# Allegro board 1155001-Timing_board_V3_20241024_1805_pcb.brd (continued)
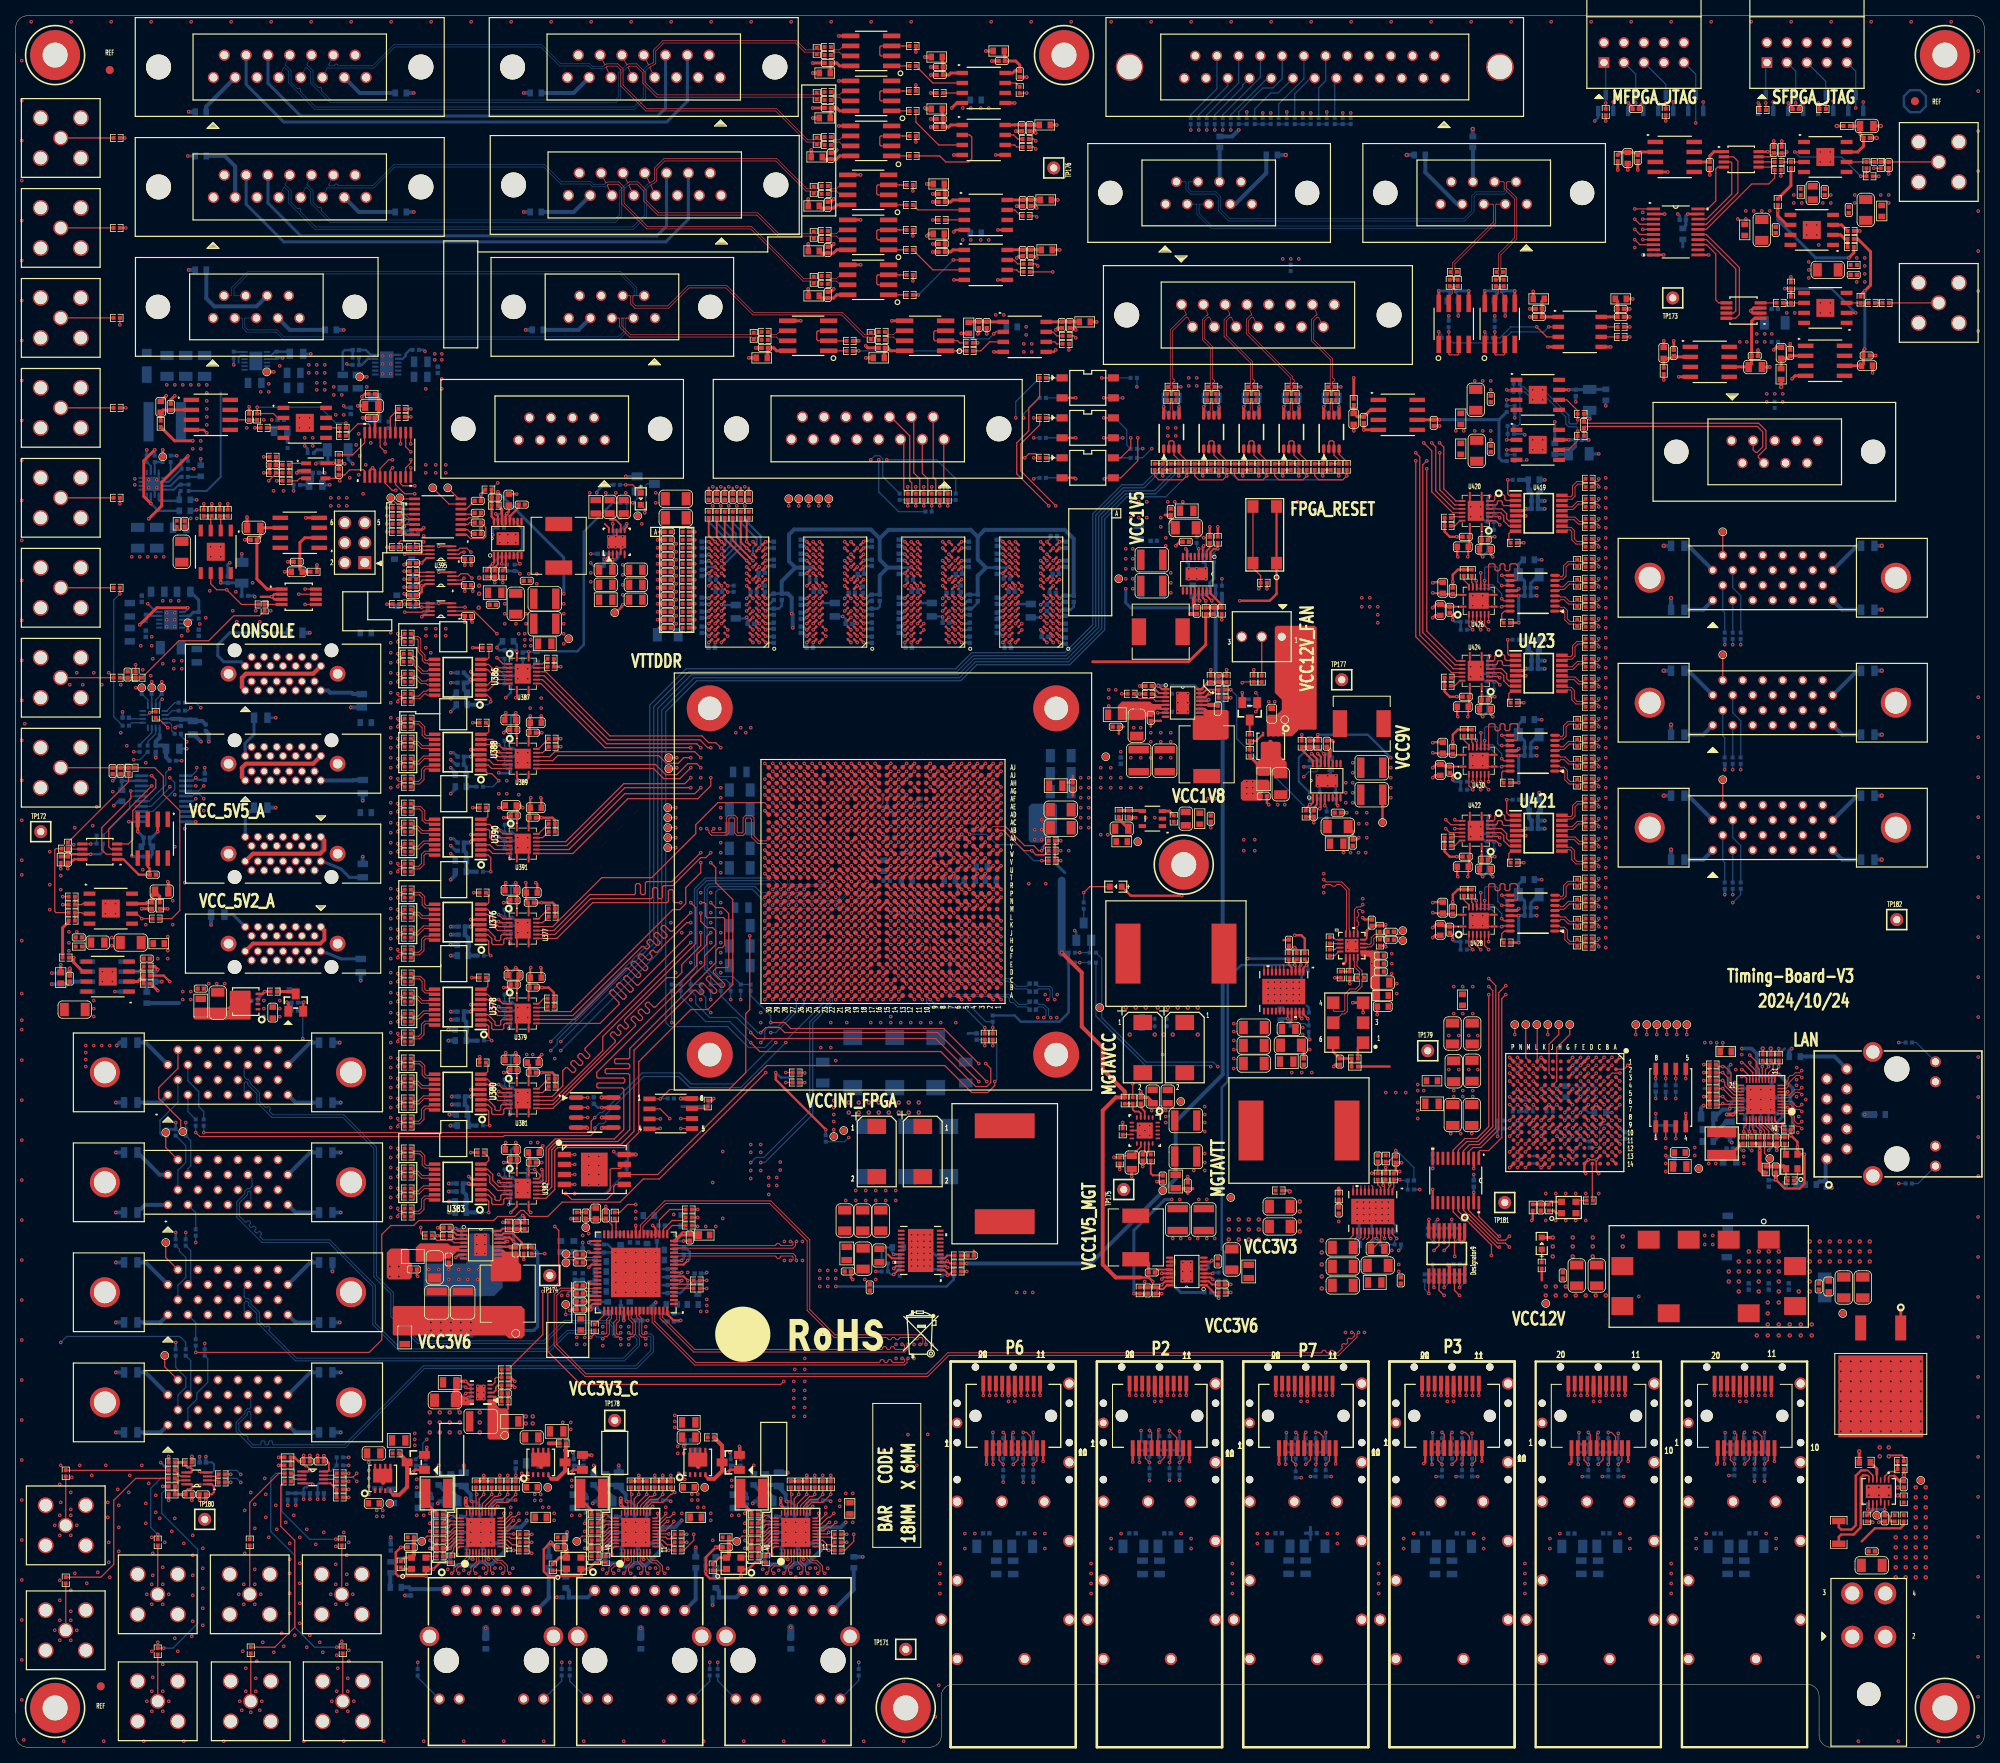
[diagram p0: board, top side]
## Copper pours and planes (outline as drawn; the poured copper is in the pictures) (continued)
GND_SFPGA_LAN on BOTTOM: 235.08,70.36 234.19,71.25 234.19,73.83 236.98,80.3 236.98,81.32 234.31,87.03 234.31,89.53 235.24,90.46 236.44,90.46 237.11,89.79 237.11,88.05 236.6,86.78 238.25,82.08 238.25,79.92 236.6,75.22 237.36,72.56 237.36,71.5 236.22,70.36
VCC1V5 on TOP: 72.01,142.11 72.01,146.69 72.14,146.81 74.42,146.81 74.55,146.69 74.55,144.27 79.12,139.7 132.84,139.7 133.35,140.21 133.35,152.53 133.48,152.65 143.89,152.65 144.02,152.53 144.02,139.95 143.89,139.83 140.72,139.83 140.59,139.95 140.59,146.05 140.34,146.3 138.05,146.3 137.79,146.05 137.79,135.89 137.54,135.64 78.49,135.64
VCC1V5 on BOTTOM: 144.15,153.92 144.4,153.67 144.4,152.65 143.51,151.76 143.51,145.41 143.38,145.29 140.08,145.29 139.95,145.41 139.95,153.8 140.08,153.92
VCC1V5_FPGA on BOTTOM: 144.02,158.37 144.02,154.94 143.76,154.69 141.22,154.69 141.1,154.81 141.1,158.37 141.22,158.5 143.89,158.5
VCC1V5_FPGA on BOTTOM: 119.71,126.27 120.44,127 132.08,127 132.46,126.62 132.46,120.78 132.21,120.52 129.32,120.52 128.65,121.19 123.52,121.19 122.5,120.18 121.49,120.18 121.36,120.3 121.36,123.1 121.23,123.22 120.34,123.22 119.71,123.86
VCC1V5_FPGA on POWR06: 132.46,155.19 135.76,158.5 143.91,158.5 144.65,157.76 144.65,115.45 143.84,114.63 125.88,114.63 125.75,114.5 106.15,114.5 105.79,114.86 105.79,116.66 106.81,117.68 106.81,124.86 106.93,124.99 106.93,125.86 106.68,126.11 91.57,126.11 91.44,126.24 91.44,135.13 85.34,141.22 85.34,154.56 85.98,155.19
VCC1V5_MGT on TOP: 140.46,70.36 141.35,71.25 145.29,71.25 145.41,71.37 148.34,71.37 148.34,70.48 149.35,70.48 149.35,71.25 151.26,71.25 152.15,70.36 152.15,67.56 151.13,66.55 140.59,66.55 140.46,66.67
VCC1V5_MGT on BOTTOM: 146.18,69.85 146.43,70.1 151.89,70.1 152.15,69.85 152.15,68.2 151.89,67.94 146.3,67.94 146.18,68.07
VCC1V8 on TOP: 185.17,95.25 182.5,95.25 182.37,95.38 182.37,96.9 182.5,97.03 185.17,97.03 185.29,96.9 185.29,95.38
VCC1V8 on TOP: 64.26,88.27 64.39,88.39 65.79,88.39 65.91,88.27 65.91,87.88 65.53,87.5 65.53,86.61 65.41,86.49 64.39,86.49 64.26,86.61
VCC1V8 on TOP: 64.39,77.22 64.52,77.34 66.55,77.34 66.67,77.22 66.67,76.83 66.17,76.33 65.66,76.33 65.53,76.2 65.53,75.18 65.41,75.06 64.52,75.06 64.39,75.18
VCC1V8 on TOP: 132.46,126.49 132.72,126.75 139.32,126.75 139.45,126.62 139.45,124.84 139.7,124.59 152.91,124.59 153.03,124.46 153.03,121.28 152.91,121.16 137.29,121.16 137.16,121.28 137.16,123.57 136.91,123.83 135,123.83 134.37,123.19 133.86,123.19 133.73,123.06 133.73,121.54 133.6,121.41 132.59,121.41 132.46,121.54
VCC1V8 on BOTTOM: 64.01,89.92 65.66,91.57 65.66,95.63 64.77,96.52 64.77,99.44 65.66,100.33 65.66,107.44 64.39,108.71 64.39,110.36 65.66,111.63 65.66,117.09 65.02,117.73 65.02,121.16 65.66,121.79 65.66,127.51 64.39,128.78 64.39,133.6 64.64,133.86 67.82,133.86 68.33,133.35 68.33,91.31 67.44,90.42 67.44,88.39 68.58,87.25 71.12,87.25 74.3,84.07 75.06,84.07 75.18,83.95 75.18,82.42 74.93,82.17 73.15,82.17 73.03,82.3 73.03,82.93 72.9,83.06 71.25,83.06 71.12,82.93 71.12,78.74 71.37,78.49 74.68,78.49 75.31,79.12 75.31,80.26 79.76,84.71 84.07,84.71 85.6,83.19 85.6,80.9 85.47,80.77 82.42,80.77 77.85,76.2 70.1,76.2 69.6,75.69 69.6,72.39 69.47,72.26 67.69,72.26 67.56,72.39 67.56,74.42 67.18,74.8 64.64,74.8 64.39,75.06 64.39,79.5 65.66,80.77 65.66,83.95 65.53,84.07 65.15,84.07 64.39,84.84 64.39,87.88 64.01,88.27
VCC1V8 on BOTTOM: 137.09,126.72 136.31,127.51 94.27,127.51 91.53,124.77 91.53,123.39 91.32,123.19 88.83,123.19 88.5,123.52 88.5,127.64 93.46,132.59 124.71,132.59 128.52,136.4 140.84,136.4 141.48,135.76 141.48,133.6 139.58,131.71 139.58,125.4 139.76,125.22 140.97,125.22 141.41,124.78 147.32,124.78 147.45,124.65 147.45,116.46 139.95,108.97 132.33,108.97 132.21,109.09 132.21,110.49 137.09,115.38 ; 1 cut-out
VCC1V8 on ART03: 60.83,77.6 67.18,77.6 67.44,77.34 67.44,46.23 67.31,46.1 60.83,46.1 60.71,46.23 60.71,77.47
VCC1V8 on ART05: 163.96,137.79 164.08,137.67 164.08,118.49 163.96,118.36 137.54,118.36 137.41,118.49 137.41,133.73 141.48,137.79
VCC1V8 on ART10: 165.1,104.52 138.43,104.52 137.03,105.92 137.03,124.84 137.41,125.22 144.78,125.22 150.62,119.38 168.02,119.38 170.56,121.92 170.56,173.61 172.09,175.13 197.61,175.13 199.64,177.16 199.64,217.68 199.77,217.81 213.49,217.81 213.61,217.68 213.61,173.61 203.58,163.58 199.26,163.58 197.1,161.42 197.1,101.98 181.86,86.74 181.86,72.52 181.74,72.39 172.85,72.39 172.59,72.64 172.59,97.03
VCC1V8 on ART10: 59.18,153.54 60.2,152.53 60.2,148.46 61.28,147.38 68.26,147.38 74.68,140.97 82.93,140.97 93.98,129.92 93.98,128.65 92.71,127.38 61.57,127.38 48.9,140.06 48.9,141.35 47.88,142.37 47.88,153.29 48.13,153.54
VCC1V8_FPGA on BOTTOM: 92.33,124.61 92.35,124.64 93.32,124.64 94.18,125.5 105.28,125.5 105.64,125.15 105.64,120.75 106.5,119.89 106.5,110.92 106.25,110.67 99.97,110.67 99.62,111.02 99.62,112.39 99.39,112.62 96.98,112.62 95.1,110.74 92.79,110.74 92.66,110.87 92.66,122.68 92.33,123.01
VCC1V8_FPGA on ART03: 99.95,119.63 105.9,119.63 106.92,118.62 107.57,118.62 107.68,118.51 107.68,116.2 109.33,114.55 114.94,114.55 116.84,116.46 116.84,116.97 117.47,117.6 119.28,117.6 119.57,117.31 119.57,117.23 120.27,116.54 120.27,116.46 119.63,115.82 119.63,112.01 117.86,110.24 109.35,110.24 108.84,110.74 104.9,110.74 104.78,110.87 104.78,112.9 102.36,115.32 95.89,115.32 94.61,116.59 94.61,123.44 94.74,123.57 98.68,123.57 98.81,123.44 98.81,120.78
VCC1V8_FPGA on POWR06: 106.55,117.78 105.54,116.77 105.54,114.76 105.92,114.38 105.54,114 105.54,102.92 105.23,102.62 94.97,102.62 94.85,102.74 92.05,102.74 91.44,103.36 91.44,125.6 91.57,125.73 106.43,125.73 106.55,125.6
VCC1V8_S_FPGA on TOP: 185.93,91.31 185.8,91.19 181.61,91.19 181.48,91.31 181.48,94.49 181.61,94.61 185.8,94.61 185.93,94.49
VCC1V8_S_FPGA on ART08: 205.23,77.09 192.41,77.09 192.15,77.34 192.15,84.84 191.9,85.09 181.61,85.09 181.48,85.22 181.48,93.47 181.74,93.73 205.23,93.73 205.36,93.6 205.36,77.22
VCC3V3 on TOP: 149.86,120.65 149.99,120.78 153.03,120.78 153.29,120.52 153.29,118.24 153.16,118.11 151.13,118.11 151,118.24 149.86,118.24
VCC3V3 on TOP: 74.3,159.51 74.3,158.12 74.17,157.99 72.77,157.99 72.64,158.12 72.64,159.51 72.77,159.64 74.17,159.64
VCC3V3 on TOP: 151.76,81.28 152.65,82.17 158.62,82.17 159.26,81.53 159.26,72.39 160.27,71.37 160.27,70.36 159.77,69.85 159.77,65.02 158.88,64.14 153.8,64.14 153.54,64.39 153.54,69.6 151.76,71.37
VCC3V3 on TOP: 83.31,42.29 83.44,42.42 84.96,42.42 85.09,42.29 85.09,40.64 84.96,40.51 83.44,40.51 83.31,40.64
VCC3V3 on TOP: 177.55,85.22 177.67,85.34 179.32,85.34 179.45,85.22 179.45,83.44 179.2,83.19 177.67,83.19 177.55,83.31
VCC3V3 on TOP: 70.87,39.37 70.74,39.24 69.22,39.24 69.09,39.37 69.09,41.53 69.22,41.66 70.74,41.66 70.87,41.53
VCC3V3 on TOP: 49.15,40.13 49.4,40.39 50.8,40.39 51.05,40.13 51.05,38.35 50.8,38.1 49.28,38.1 49.15,38.23
VCC3V3 on TOP: 209.42,74.55 210.95,74.55 211.07,74.42 211.07,73.03 210.95,72.9 209.42,72.9 209.3,73.03 209.3,74.42
VCC3V3 on BOTTOM: 208.41,74.3 208.53,74.42 211.07,74.42 211.2,74.3 211.2,73.15 210.95,72.9 208.66,72.9 208.41,73.15
VCC3V3 on BOTTOM: 209.86,23.62 210.24,24 213.59,24 214.98,22.61 220.83,22.61 221.08,22.35 221.08,18.41 220.57,17.91 210.21,17.91 209.86,18.26
VCC3V3 on BOTTOM: 135.56,23.62 135.94,24 139.29,24 140.68,22.61 146.52,22.61 146.78,22.35 146.78,18.41 146.27,17.91 135.91,17.91 135.56,18.26
VCC3V3 on BOTTOM: 89.15,107.57 89.53,107.95 91.44,107.95 91.82,107.57 91.82,106.17 91.44,105.79 89.28,105.79 89.15,105.92
VCC3V3 on BOTTOM: 172.71,23.62 173.09,24 176.44,24 177.83,22.61 183.68,22.61 183.93,22.35 183.93,18.41 183.42,17.91 173.06,17.91 172.71,18.26
VCC3V3 on BOTTOM: 116.98,23.62 117.36,24 120.71,24 122.11,22.61 127.95,22.61 128.2,22.35 128.2,18.41 127.7,17.91 117.34,17.91 116.98,18.26
VCC3V3 on BOTTOM: 83.31,42.29 83.44,42.42 86.87,42.42 87.25,42.04 87.25,37.34 87.12,37.21 85.72,37.21 85.47,37.47 85.47,39.88 85.09,40.26 83.57,40.26 83.31,40.51
VCC3V3 on BOTTOM: 154.13,23.62 154.51,24 157.86,24 159.26,22.61 165.1,22.61 165.35,22.35 165.35,18.41 164.85,17.91 154.49,17.91 154.13,18.26
VCC3V3 on BOTTOM: 62.87,37.21 66.8,41.15 70.99,41.15 71.12,41.02 71.12,39.24 70.74,38.86 67.31,38.86 65.28,36.83 65.28,35.43 65.15,35.31 64.39,35.31 64.26,35.43 64.26,35.56 64.01,35.81 62.99,35.81 62.87,35.94
VCC3V3 on BOTTOM: 45.85,154.05 46.1,154.31 47.24,154.31 47.75,154.81 49.66,154.81 49.78,154.69 49.78,154.18 48.9,153.29 48.9,152.02 48.77,151.89 47.37,151.89 47.24,151.76 47.24,150.11 49.02,148.34 49.02,146.05 48.9,145.92 45.97,145.92 45.85,146.05
VCC3V3 on BOTTOM: 191.28,23.62 191.66,24 195.01,24 196.41,22.61 202.25,22.61 202.5,22.35 202.5,18.41 202,17.91 191.64,17.91 191.28,18.26
VCC3V3 on BOTTOM: 46.23,40.39 50.93,40.39 51.18,40.13 51.18,38.23 49.78,36.83 49.78,32.64 49.53,32.38 46.23,32.38 46.1,32.51 46.1,40.26
VCC3V3 on BOTTOM: 159.89,69.6 159.89,64.39 159.64,64.14 153.8,64.14 153.67,64.26 153.67,69.6 153.8,69.72 159.77,69.72
VCC3V3 on POWR06: 3.1,44.32 3.1,173.15 3.7,173.76 127.02,173.76 127.76,174.5 127.76,182.75 122.94,187.58 122.94,216.65 123.19,216.9 246.9,216.9 246.9,70.63 246.63,70.36 214.12,70.36 212.6,68.83 207.39,68.83 205.36,66.8 205.36,51.69 210.06,46.99 224.41,46.99 224.92,46.48 224.92,19.56 224.41,19.05 116.84,19.05 116.12,18.33 116.12,10.88 108.33,3.1 47.62,3.1 47.24,3.48 47.24,26.8 43.43,30.61 16.81,30.61 ; 2 cut-outs
VCC3V3_C on TOP: 87.25,66.55 87.5,66.8 88.9,66.8 89.15,66.55 89.15,64.75 89,64.6 87.71,64.6 87.63,64.68 87.63,64.68 87.63,65.53 87.25,65.91
VCC3V3_C on TOP: 70.61,53.34 70.74,53.47 72.39,53.47 72.64,53.21 72.64,50.93 72.52,50.8 70.87,50.8 70.61,51.05
VCC3V3_C on TOP: 173.74,95.89 173.86,96.01 174.62,96.01 174.75,95.89 174.75,95.38 174.88,95.25 175.9,95.25 176.02,95.12 176.02,84.58 176.91,83.69 176.91,82.93 176.66,82.68 173.86,82.68 173.74,82.8
VCC3V3_C on TOP: 63.37,42.55 65.66,42.55 65.91,42.29 65.91,40.77 65.79,40.64 63.37,40.64
VCC3V3_C on BOTTOM: 78.36,68.33 78.49,68.45 79.76,68.45 80.01,68.2 80.01,67.06 79.76,66.8 78.61,66.8 78.36,67.06
VCC3V3_C on BOTTOM: 85.98,57.91 86.11,58.04 116.33,58.04 116.59,58.29 129.41,58.29 129.54,58.17 129.54,53.72 129.41,53.59 86.36,53.59 86.23,53.72 86.23,56.77 85.98,57.02
VCC3V3_C on BOTTOM: 68.71,65.66 68.94,65.89 74.22,65.89 74.42,65.68 74.42,64.74 74.27,64.59 71.83,64.59 71.07,63.83 68.91,63.83 68.71,64.03
VCC3V3_C on ART05: 176.78,83.69 176.91,83.57 176.91,68.83 175.26,67.18 172.21,67.18 166.88,61.85 165.61,61.85 161.29,57.53 120.52,57.53 120.27,57.78 120.27,77.34 126.62,83.69
VCC3V3_C on ART10: 64.39,42.8 66.29,44.7 66.29,51.44 67.94,53.09 69.22,53.09 71.37,55.24 71.37,65.41 74.55,68.58 90.17,68.58 90.81,67.94 90.81,39.62 89.66,38.48 65.02,38.48 64.39,39.12
VCC3V3_C_BUF1 on TOP (solid shape): 173.23,100.95 173.23,95 173.1,94.87 172.47,94.87 172.34,95 172.34,96.14 172.33,96.14 172.21,96.27 172.21,96.27 172.01,96.46 172.01,100.27 171.83,100.46 170.94,100.46 170.76,100.63 170.76,101.17 170.84,101.24 172.94,101.24
VCC3V3_FPGA on BOTTOM: 92.58,107.82 92.71,107.95 94.36,107.95 95.12,107.19 95.76,107.19 96.14,107.57 105.03,107.57 105.92,106.68 110.49,106.68 110.87,106.3 110.87,105.03 111.12,104.78 115.7,104.78 115.95,104.52 115.95,99.06 116.46,98.55 116.46,97.92 116.2,97.66 115.7,97.66 115.57,97.54 115.57,95.76 114.3,94.49 105.03,94.49 104.65,94.87 104.65,98.17 104.52,98.3 103,98.3 102.74,98.04 102.74,96.14 102.11,95.5 99.06,95.5 98.04,94.49 95.12,94.49 94.11,95.5 94.11,97.66 93.73,98.04 92.84,98.04 92.58,98.3
VCC3V3_FPGA_1_ETH on TOP: 66.67,30.61 66.8,30.73 67.82,30.73 67.94,30.61 67.94,28.57 67.82,28.45 66.8,28.45 66.67,28.57
VCC3V3_FPGA_1_ETH on TOP: 61.09,35.31 61.34,35.56 63.5,35.56 63.75,35.31 63.75,33.66 63.63,33.53 61.21,33.53 61.09,33.66
VCC3V3_FPGA_1_ETH on TOP: 48.51,28.32 49.02,28.83 53.59,28.83 53.72,28.7 53.72,27.18 53.59,27.05 50.29,27.05 50.16,26.92 50.04,26.92 50.04,26.42 49.91,26.29 48.64,26.29 48.51,26.42
VCC3V3_FPGA_1_ETH on TOP: 45.47,32.89 45.59,33.02 46.86,33.02 47.12,32.77 47.12,31.88 47.88,31.11 47.88,28.96 47.5,28.57 45.85,28.57 45.47,28.96
VCC3V3_FPGA_1_ETH on BOTTOM: 49.78,28.96 50.16,28.57 51.82,28.57 52.32,28.07 52.96,28.07 53.09,28.19 53.09,28.7 53.21,28.83 53.59,28.83 53.72,28.7 53.72,26.8 53.59,26.67 48.23,26.67 47.88,27.02 47.12,27.02 47.02,26.92 46.99,26.92 46.99,25.4 47.12,25.27 48.13,25.27 48.26,25.15 48.26,23.24 48.13,23.11 45.59,23.11 45.21,23.5 45.21,31.24 45.34,31.37 49.4,31.37 49.78,30.99
VCC3V3_FPGA_1_ETH on BOTTOM: 64.52,27.18 65.28,27.94 68.71,27.94 68.83,28.07 68.83,30.1 68.71,30.23 67.44,30.23 67.31,30.35 67.31,30.99 67.69,31.37 69.85,31.37 70.1,31.11 70.1,27.69 69.22,26.8 67.56,26.8 67.06,26.29 67.06,24.64 66.55,24.13 64.64,24.13 64.52,24.26
VCC3V3_FPGA_1_ETH on BOTTOM: 53.09,37.72 53.47,38.1 61.47,38.1 62.48,37.08 62.48,35.81 62.74,35.56 62.74,34.42 62.61,34.29 62.36,34.29 62.1,34.54 62.1,34.92 61.98,35.05 61.09,35.05 60.83,34.8 60.83,33.66 60.71,33.53 58.17,33.53 57.4,34.29 53.21,34.29 53.09,34.42
VCC3V3_FPGA_1_ETH on ART03: 45.34,36.07 47.5,38.23 67.94,38.23 69.47,36.7 69.47,30.35 69.34,30.23 66.8,30.23 66.67,30.35 66.67,30.86 67.06,31.24 67.06,33.02 66.55,33.53 59.82,33.53 58.04,35.31 49.53,35.31 48.77,34.54 48.77,29.46 48.01,28.7 45.72,28.7 45.34,29.08
VCC3V3_FPGA_2_ETH on TOP: 67.31,27.56 68.58,28.83 73.28,28.83 73.41,28.7 73.41,27.18 73.28,27.05 69.34,27.05 69.22,26.92 69.22,26.54 69.09,26.42 68.33,26.42 68.2,26.54 67.56,26.54 67.31,26.8
VCC3V3_FPGA_2_ETH on TOP: 86.36,30.61 86.49,30.73 87.5,30.73 87.63,30.61 87.63,28.57 87.5,28.45 86.49,28.45 86.36,28.57
VCC3V3_FPGA_2_ETH on TOP: 65.53,34.92 65.66,35.05 66.93,35.05 67.18,34.8 67.18,33.91 67.94,33.15 67.94,31.5 67.56,31.11 65.66,31.11 65.53,31.24
VCC3V3_FPGA_2_ETH on BOTTOM: 69.22,25.78 69.47,26.04 70.23,26.04 70.48,26.29 70.48,27.81 70.74,28.07 72.52,28.07 72.64,28.19 72.64,28.7 72.77,28.83 73.28,28.83 73.41,28.7 73.41,26.92 73.15,26.67 72.14,26.67 71.75,26.29 71.75,23.88 71.63,23.75 69.34,23.75 69.22,23.88
VCC3V3_FPGA_2_ETH on BOTTOM: 84.2,27.3 84.84,27.94 85.85,27.94 86.11,28.19 88.65,28.19 89.03,28.57 89.03,29.84 88.77,30.1 86.36,30.1 86.23,30.23 86.23,30.73 86.36,30.86 87.12,30.86 87.76,31.5 89.79,31.5 90.17,31.11 90.17,26.92 90.04,26.8 86.74,26.8 85.72,25.78 85.72,24.77 85.34,24.38 84.33,24.38 84.2,24.51
VCC3V3_FPGA_2_ETH on BOTTOM: 65.53,36.7 65.91,37.08 66.93,37.08 68.45,38.61 82.3,38.61 82.68,38.23 82.68,34.42 82.55,34.29 81.92,34.29 81.79,34.42 81.79,35.31 81.53,35.56 80.9,35.56 80.64,35.31 80.64,33.66 80.52,33.53 77.85,33.53 77.72,33.66 77.72,35.94 77.34,36.32 76.07,36.32 75.69,35.94 75.69,34.42 75.56,34.29 72.9,34.29 72.77,34.42 72.77,35.81 73.41,36.45 73.41,37.21 72.9,37.72 70.1,37.72 69.47,37.08 69.47,34.04 68.33,32.89 67.56,32.89 67.18,32.51 67.18,31.24 66.8,30.86 65.79,30.86 65.53,31.11
VCC3V3_FPGA_2_ETH on ART03: 81.92,30.1 81.53,30.48 81.53,35.43 81.66,35.56 88.39,35.56 88.52,35.43 88.52,30.23 88.39,30.1
VCC3V3_FPGA_2_ETH on ART03: 74.3,35.94 74.3,27.3 74.17,27.18 70.74,27.18 69.85,28.07 69.85,35.94 69.98,36.07 74.17,36.07
VCC3V3_FPGA_3_ETH on TOP: 85.47,34.92 85.6,35.05 86.87,35.05 87.12,34.8 87.12,33.91 87.88,33.15 87.88,31.24 87.76,31.11 85.6,31.11 85.47,31.24
VCC3V3_FPGA_3_ETH on TOP: 104.39,31.5 104.52,31.62 106.55,31.62 106.68,31.5 106.68,30.48 106.55,30.35 104.52,30.35 104.39,30.48
VCC3V3_FPGA_3_ETH on TOP: 101.09,35.56 101.22,35.69 103.89,35.69 104.01,35.56 104.01,33.66 103.89,33.53 101.22,33.53 101.09,33.66
VCC3V3_FPGA_3_ETH on TOP: 87.63,27.56 88.9,28.83 93.6,28.83 93.73,28.7 93.73,27.18 93.6,27.05 90.17,27.05 90.04,26.92 90.04,26.42 89.03,26.42 88.52,25.91 87.76,25.91 87.63,26.04
VCC3V3_FPGA_3_ETH on BOTTOM: 85.47,36.32 85.6,36.45 87,36.45 87.63,37.08 87.63,40.39 88.01,40.77 108.2,40.77 109.73,39.24 109.73,25.78 108.71,24.77 105.41,24.77 105.16,24.51 104.65,24.51 104.52,24.64 104.52,27.05 105.54,28.07 106.81,28.07 107.06,28.32 107.06,32.77 106.81,33.02 105.16,33.02 104.9,32.77 104.9,30.35 104.65,30.1 104.27,30.1 103.89,30.48 103.89,34.67 103.63,34.92 103.25,34.92 103.12,34.8 103.12,34.42 102.87,34.16 102.23,34.16 102.11,34.29 102.11,34.8 101.98,34.92 101.09,34.92 100.84,34.67 100.84,33.53 100.71,33.4 98.17,33.4 98.04,33.53 98.04,34.04 98.42,34.42 98.42,35.43 98.17,35.69 96.01,35.69 95.89,35.56 95.89,34.42 95.76,34.29 93.09,34.29 92.96,34.42 92.96,38.35 92.71,38.61 90.55,38.61 89.92,37.97 89.92,34.42 87.12,31.62 87.12,31.24 87,31.11 85.6,31.11 85.47,31.24
VCC3V3_FPGA_3_ETH on BOTTOM: 87.12,26.16 87.5,26.54 89.28,26.54 89.53,26.29 89.53,23.88 89.41,23.75 88.14,23.75 88.01,23.62 87.25,23.62 87.12,23.75
VCC3V3_FPGA_3_ETH on BOTTOM: 92.08,27.81 92.2,27.94 92.84,27.94 93.09,28.19 93.09,28.7 93.22,28.83 93.6,28.83 93.73,28.7 93.73,27.05 93.6,26.92 92.2,26.92 92.08,27.05
VCC3V3_FPGA_3_ETH on ART08: 89.53,36.07 90.04,36.58 94.87,36.58 95.25,36.2 95.25,26.92 94.87,26.54 90.17,26.54 89.53,27.18
VCC3V3_S_FPGA on TOP: 180.09,85.22 180.21,85.34 185.8,85.34 185.93,85.22 185.93,83.31 185.8,83.19 180.21,83.19 180.09,83.31
VCC3V3_S_FPGA on ART08: 191.26,76.58 191.52,76.33 198.88,76.33 199.26,75.95 199.26,73.15 198.75,72.64 182.5,72.64 181.99,73.15 181.99,84.2 182.12,84.33 191.13,84.33 191.26,84.2
VCC3V3_SFPGA_ETH on TOP: 211.58,73.03 211.58,76.33 211.71,76.45 214.12,76.45 214.25,76.33 214.25,73.03 214.12,72.9 211.71,72.9
VCC3V3_SFPGA_ETH on TOP: 214.12,87.5 214,87.63 214,89.79 214.12,89.92 216.03,89.92 216.79,89.15 216.79,87.63 216.66,87.5
VCC3V3_SFPGA_ETH on BOTTOM: 214.63,73.41 214.76,73.28 219.71,73.28 220.85,74.42 220.85,75.95 221.23,76.33 224.79,76.33 225.04,76.07 225.04,70.87 224.79,70.61 212.22,70.61 211.46,71.37 211.46,90.17 212.22,90.93 224.92,90.93 225.3,90.55 225.3,88.9 224.79,88.39 222.38,88.39 221.68,89.09 220.66,89.09 220.6,89.15 215.14,89.15 214.63,88.65 214.63,83.44 213.36,82.17 213.36,79.25 213.49,79.12 214.5,79.12 214.63,78.99
VCC3V6 on TOP: 47.37,51.44 47.75,51.82 54.48,51.82 54.99,51.31 54.99,45.72 54.86,45.59 47.88,45.59 47.37,46.1
VCC5V on TOP: 64.39,139.32 66.67,139.32 66.8,139.45 66.8,141.1 66.67,141.22 65.02,141.22 64.9,141.35 64.9,141.6 64.77,141.73 63.63,141.73 63.5,141.6 63.5,140.21
VCC5V on TOP: 42.16,114.3 39.62,116.84 39.62,119.38 42.04,121.79 42.04,127.64 39.75,129.92 39.75,132.08 42.04,134.37 42.04,138.94 38.73,142.24 38.73,159 38.86,159.13 46.74,159.13 46.86,159 46.86,89.15 46.74,89.03 34.67,89.03 34.29,89.41 20.45,89.41 14.1,83.06 7.87,83.06 7.62,83.31 7.62,91.57 8,91.95 37.59,91.95 42.16,96.52
VCC5V on BOTTOM: 49.66,153.67 50.16,154.18 52.45,154.18 53.09,153.54 53.09,146.18 52.7,145.8 50.04,145.8 49.91,145.92 49.91,146.69 50.04,146.81 51.94,146.81 52.32,147.19 52.32,148.08 51.94,148.46 49.91,148.46 49.78,148.59 49.78,149.73 49.91,149.86 51.82,149.86 52.2,150.24 52.2,151.76 52.07,151.89 49.78,151.89 49.66,152.02
VCC5V on ART05: 50.29,153.67 50.29,156.21 49.15,157.35 39.37,157.35 39.24,157.48 39.24,161.16 39.37,161.29 67.56,161.29 67.94,160.91 67.94,140.08 67.5,139.64 63.31,139.64 61.09,141.86 61.09,144.65 59.69,146.05 59.69,148.97 59.44,149.22 54.74,149.22
VCC5V on ART10: 19.05,36.45 35.05,36.45 35.18,36.32 35.18,30.35 35.05,30.23 13.97,30.23 6.1,38.1 6.1,89.53 6.35,89.79 18.03,89.79 18.16,89.66 18.16,37.34
VCC5V2_A on BOTTOM: 40.01,173.1 40.01,171.45 40.13,171.32 42.16,171.32 42.29,171.45 42.29,173.1 42.16,173.23 40.13,173.23
VCC5V2_A on BOTTOM: 224.54,204.6 205.74,204.6 202.69,201.55 202.69,177.67 200.28,175.26 155.57,175.26 151.38,179.45 132.21,179.45 131.44,178.69 127.89,178.69 127.76,178.56 127.76,177.04 127.89,176.91 150.88,176.91 154.18,173.61 171.32,173.61 171.7,173.99 202.44,173.99 203.96,172.47 224.54,172.47 224.66,172.59 224.66,176.02 224.54,176.15 216.15,176.15 215.65,176.66 215.65,193.93 224.66,202.95 224.66,204.47 ; 1 cut-out
VCC5V2_A on ART08: 1.91,111.25 1.91,119.63 2.16,119.89 13.59,119.89 21.97,128.27 21.97,153.92 25.34,157.29 25.34,173.29 26.29,174.24 125.6,174.24 127.38,176.02 127.38,178.44 127.51,178.56 129.29,178.56 129.41,178.44 129.41,172.09 127.76,170.43 56.13,170.43 53.53,167.83 48.32,167.83 39.5,159 39.5,146.05 32.77,139.32 32.77,121.41 22.29,110.93 2.22,110.93
VCC9V on TOP: 172.37,131.56 172.75,131.94 175.36,131.94 175.79,131.5 175.79,119.91 175.64,119.76 173,119.76 172.37,120.4
VCC9V on BOTTOM: 172.97,125.86 173.23,126.11 174.88,126.11 175.26,125.73 175.26,119.76 175.01,119.51 173.23,119.51 172.97,119.76
VCC10V_A on TOP: 220.09,192.91 218.44,192.91 218.31,193.04 218.31,195.33 218.44,195.45 220.09,195.45 220.22,195.33 220.22,193.04
VCC10V_A on TOP: 29.08,166.88 22.23,166.88 22.1,166.75 22.1,164.47 22.35,164.21 37.59,164.21 38.1,164.72 38.1,166.37 37.85,166.62 36.45,166.62 35.56,165.74 30.23,165.74
VCC10V_A on BOTTOM: 23.75,138.3 19.81,138.3 19.68,138.18 19.68,136.65 19.81,136.53 23.75,136.53 23.88,136.65 23.88,138.18
VCC10V_A on BOTTOM: 51.31,167.77 57.91,174.37 125.73,174.37 127.76,176.4 150.24,176.4 150.37,176.28 150.37,172.85 150.24,172.72 148.72,172.72 146.62,174.82 128.97,174.82 127.25,173.1 59.06,173.1 51.94,165.99 38.73,165.99 37.85,165.1 36.58,165.1 36.45,165.23 36.45,166.75 36.58,166.88 37.47,166.88 38.35,167.77
VCC10V_A on BOTTOM: 223.14,178.94 218.82,178.94 218.69,178.82 218.69,176.78 218.82,176.66 223.14,176.66 223.27,176.78 223.27,178.82
VCC10V_A on ART03: 223.39,206.5 202.82,206.5 201.04,204.72 201.04,178.05 197.99,175.01 148.84,175.01 148.72,174.88 148.72,170.94 148.97,170.69 191.52,170.69 194.44,167.77 209.55,167.77 219.77,177.99 223.39,177.99 223.52,178.12 223.52,206.38
VCC10V_A on ART05: 5.46,92.84 19.81,92.84 20.19,93.22 20.19,120.65 18.67,122.17 18.67,131.57 21.59,134.49 21.59,140.84 22.86,142.11 22.86,143 24.13,144.27 24.13,166.12 23.88,166.37 12.95,166.37 12.64,166.05 12.64,112.46 4.95,104.78 4.95,93.34
VCC12V on TOP (solid shape): 49.99,63.12 49.99,61.67 50.32,61.34 50.32,59.72 50.04,59.44 47.37,59.44 47.12,59.69 47.12,62.87 47.62,63.37 49.73,63.37
VCC12V on TOP (solid shape): 159.26,122.68 159.26,121.54 159.13,121.41 158.45,121.41 158.29,121.26 158.29,120.45 158.12,120.27 155.83,120.27 155.57,120.52 155.57,122.56 155.96,122.94 159,122.94
VCC12V on TOP: 168.15,113.41 168.15,115.44 168.28,115.57 169.03,115.57 169.16,115.44 169.16,114.81 169.29,114.68 171.58,114.68 171.7,114.55 171.7,113.41 171.58,113.28 168.28,113.28 ; 1 cut-out
VCC12V on TOP: 60.33,144.53 60.33,147.83 60.2,147.96 59.56,147.96 59.31,148.21 59.31,148.84 59.18,148.97 58.67,148.97 58.55,148.84 58.55,144.53 58.67,144.4 60.2,144.4
VCC12V on TOP: 161.54,85.47 161.54,87.76 161.65,87.87 162.66,87.87 162.77,87.75 162.77,87.04 162.94,86.87 164.85,86.87 164.97,86.74 164.97,85.47 164.85,85.34 161.67,85.34 ; 1 cut-out
VCC12V on TOP: 147.5,156.34 147.42,156.41 147.42,156.9 147.27,157.05 146.2,157.05 145.97,157.28 145.97,158.67 146.18,158.88 148.46,158.88 148.72,158.62 148.72,158.24 148.34,157.86 148.34,156.46 148.21,156.34 ; 1 cut-out
VCC12V on TOP: 24.13,94.61 20.83,94.61 20.7,94.74 20.7,96.77 20.83,96.9 23.11,96.9 23.24,96.77 23.24,95.76 23.37,95.63 24.13,95.63 24.26,95.5 24.26,94.74
VCC12V on TOP: 173.48,51.18 171.32,53.34 104.01,53.34 101.73,55.63 101.73,62.23 101.85,62.36 106.17,62.36 106.3,62.23 106.3,61.47 106.17,61.34 105.99,61.34 105.54,60.88 105.54,59.18 106.55,58.17 109.73,58.17 111,59.44 138.81,59.44 141.67,56.58 154.5,56.58 155.32,57.4 155.32,59.44 155.96,60.07 158.5,60.07 161.16,57.4 171.83,57.4 172.97,58.55 172.97,59.82 173.1,59.94 173.99,59.94 174.88,59.05 176.78,59.05 179.07,56.77 184.15,56.77 187.07,59.69 197.1,59.69 197.49,59.31 202.44,59.31 203.58,58.17 209.42,58.17 211.33,56.26 211.33,51.31 211.2,51.18 ; 1 cut-out
VCC12V on TOP: 136.27,129.03 135.38,129.92 135.38,134.49 135.51,134.62 139.83,134.62 139.95,134.49 139.95,132.84 139.22,132.11 139.22,130.4 139.5,130.12 139.5,129.21 139.32,129.03 ; 1 cut-out
VCC12V on BOTTOM: 51.94,175.26 54.23,175.26 54.36,175.39 54.36,177.29 54.23,177.42 52.32,177.42 51.82,176.91 51.82,175.39
VCC12V on BOTTOM: 47.37,59.18 46.74,59.82 46.74,64.77 49.15,67.18 49.15,102.36 44.58,106.93 23.5,106.93 22.86,106.3 22.86,94.23 22.73,94.11 20.57,94.11 20.45,94.23 20.45,107.7 21.46,108.71 44.45,108.71 45.21,109.47 45.21,113.16 44.83,113.54 44.83,119.89 45.47,120.52 45.47,128.52 44.83,129.16 44.83,130.68 45.09,130.94 45.09,134.49 44.83,134.75 44.83,142.37 44.51,142.68 28,142.68 22.61,148.08 17.78,148.08 17.65,147.96 17.65,146.18 17.53,146.05 15.24,146.05 15.11,145.92 15.11,144.91 14.99,144.78 13.84,144.78 13.72,144.91 13.72,149.61 13.97,149.86 20.95,149.86 21.21,150.11 21.21,155.7 21.34,155.83 39.75,155.83 40.39,155.19 40.39,150.11 47.5,143 52.07,143 53.47,144.4 53.47,153.92 53.09,154.31 52.9,154.31 52.26,154.94 52.26,155 51.82,155.45 51.82,163.19 51.94,163.32 59.82,163.32 59.94,163.19 59.94,137.79 59.56,137.41 55.5,137.41 54.48,136.4 54.48,64.39 50.42,60.33 50.42,59.31 50.29,59.18 ; 1 cut-out
VCC12V on BOTTOM: 154.31,123.83 159,123.83 165.74,117.09 178.94,117.09 185.04,111 185.04,100.58 186.37,99.25 186.37,95.31 187.58,94.11 187.58,75.31 189.61,73.28 206.38,73.28 206.5,73.15 206.5,53.47 206.38,53.34 164.08,53.34 163.83,53.59 163.83,73.79 160.91,76.71 160.91,87.63 161.16,87.88 164.47,87.88 164.72,88.14 164.72,99.44 163.32,100.84 157.35,100.84 154.18,104.01 154.18,123.7 ; 1 cut-out
VCC12V on ART03: 61.34,176.91 61.34,161.8 61.21,161.67 51.94,161.67 51.82,161.8 51.82,176.91 52.2,177.29 60.96,177.29
VCC12V on ART05: 94.49,61.21 83.69,50.42 70.99,50.42 59.31,62.1 58.42,62.1 57.4,63.12 45.97,63.12 45.72,62.87 45.72,48.39 46.74,47.37 86.11,47.37 94.11,55.37 104.14,55.37 104.9,56.13 104.9,61.09 104.78,61.21
